# Altium PCB Inverter_AXIOMA_ REVERS.PcbDoc (part 1 of 3)
Units mm, origin at the board's own origin, x right, y up, seen from the top; angles counter-clockwise.
Board outline 420 x 300 mm, 2 copper layers (Top Layer, Bottom Layer), stack 2.071 mm thick; 422 components, 183 nets, 1036 pads, 944 vias.
Unrouted connection lines stored in the file: 20.
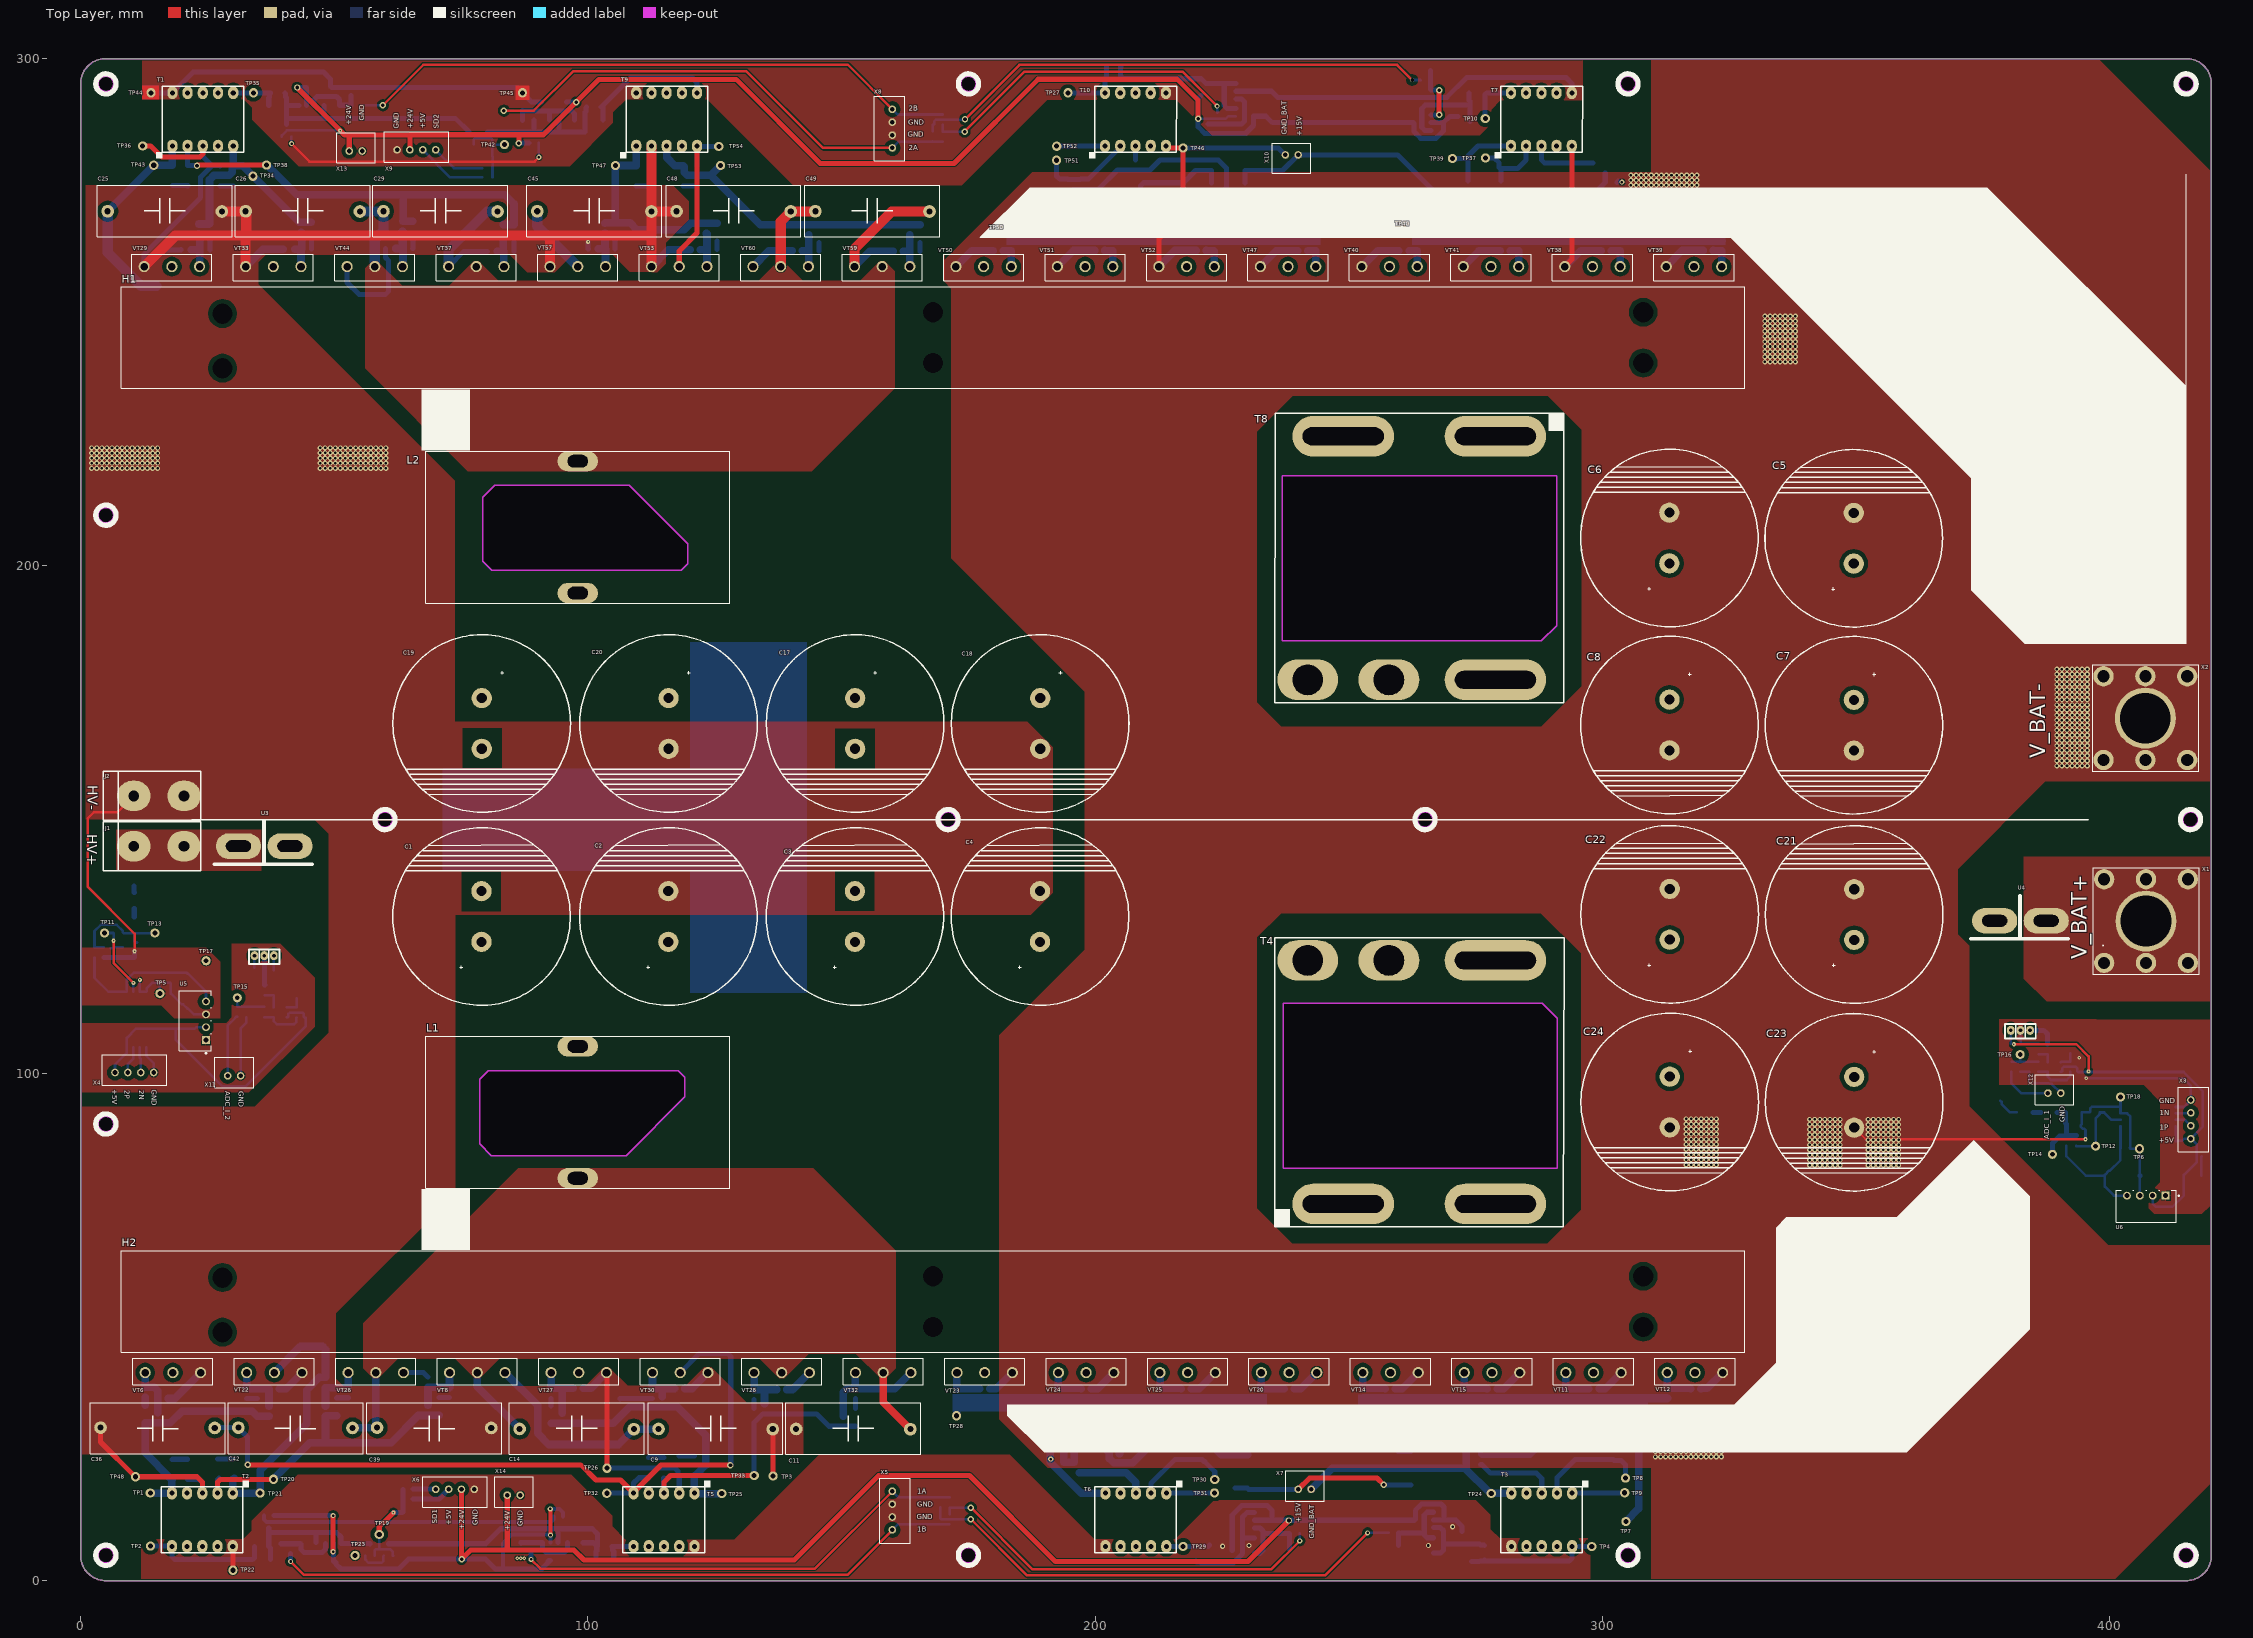
[diagram p0: Top Layer view]
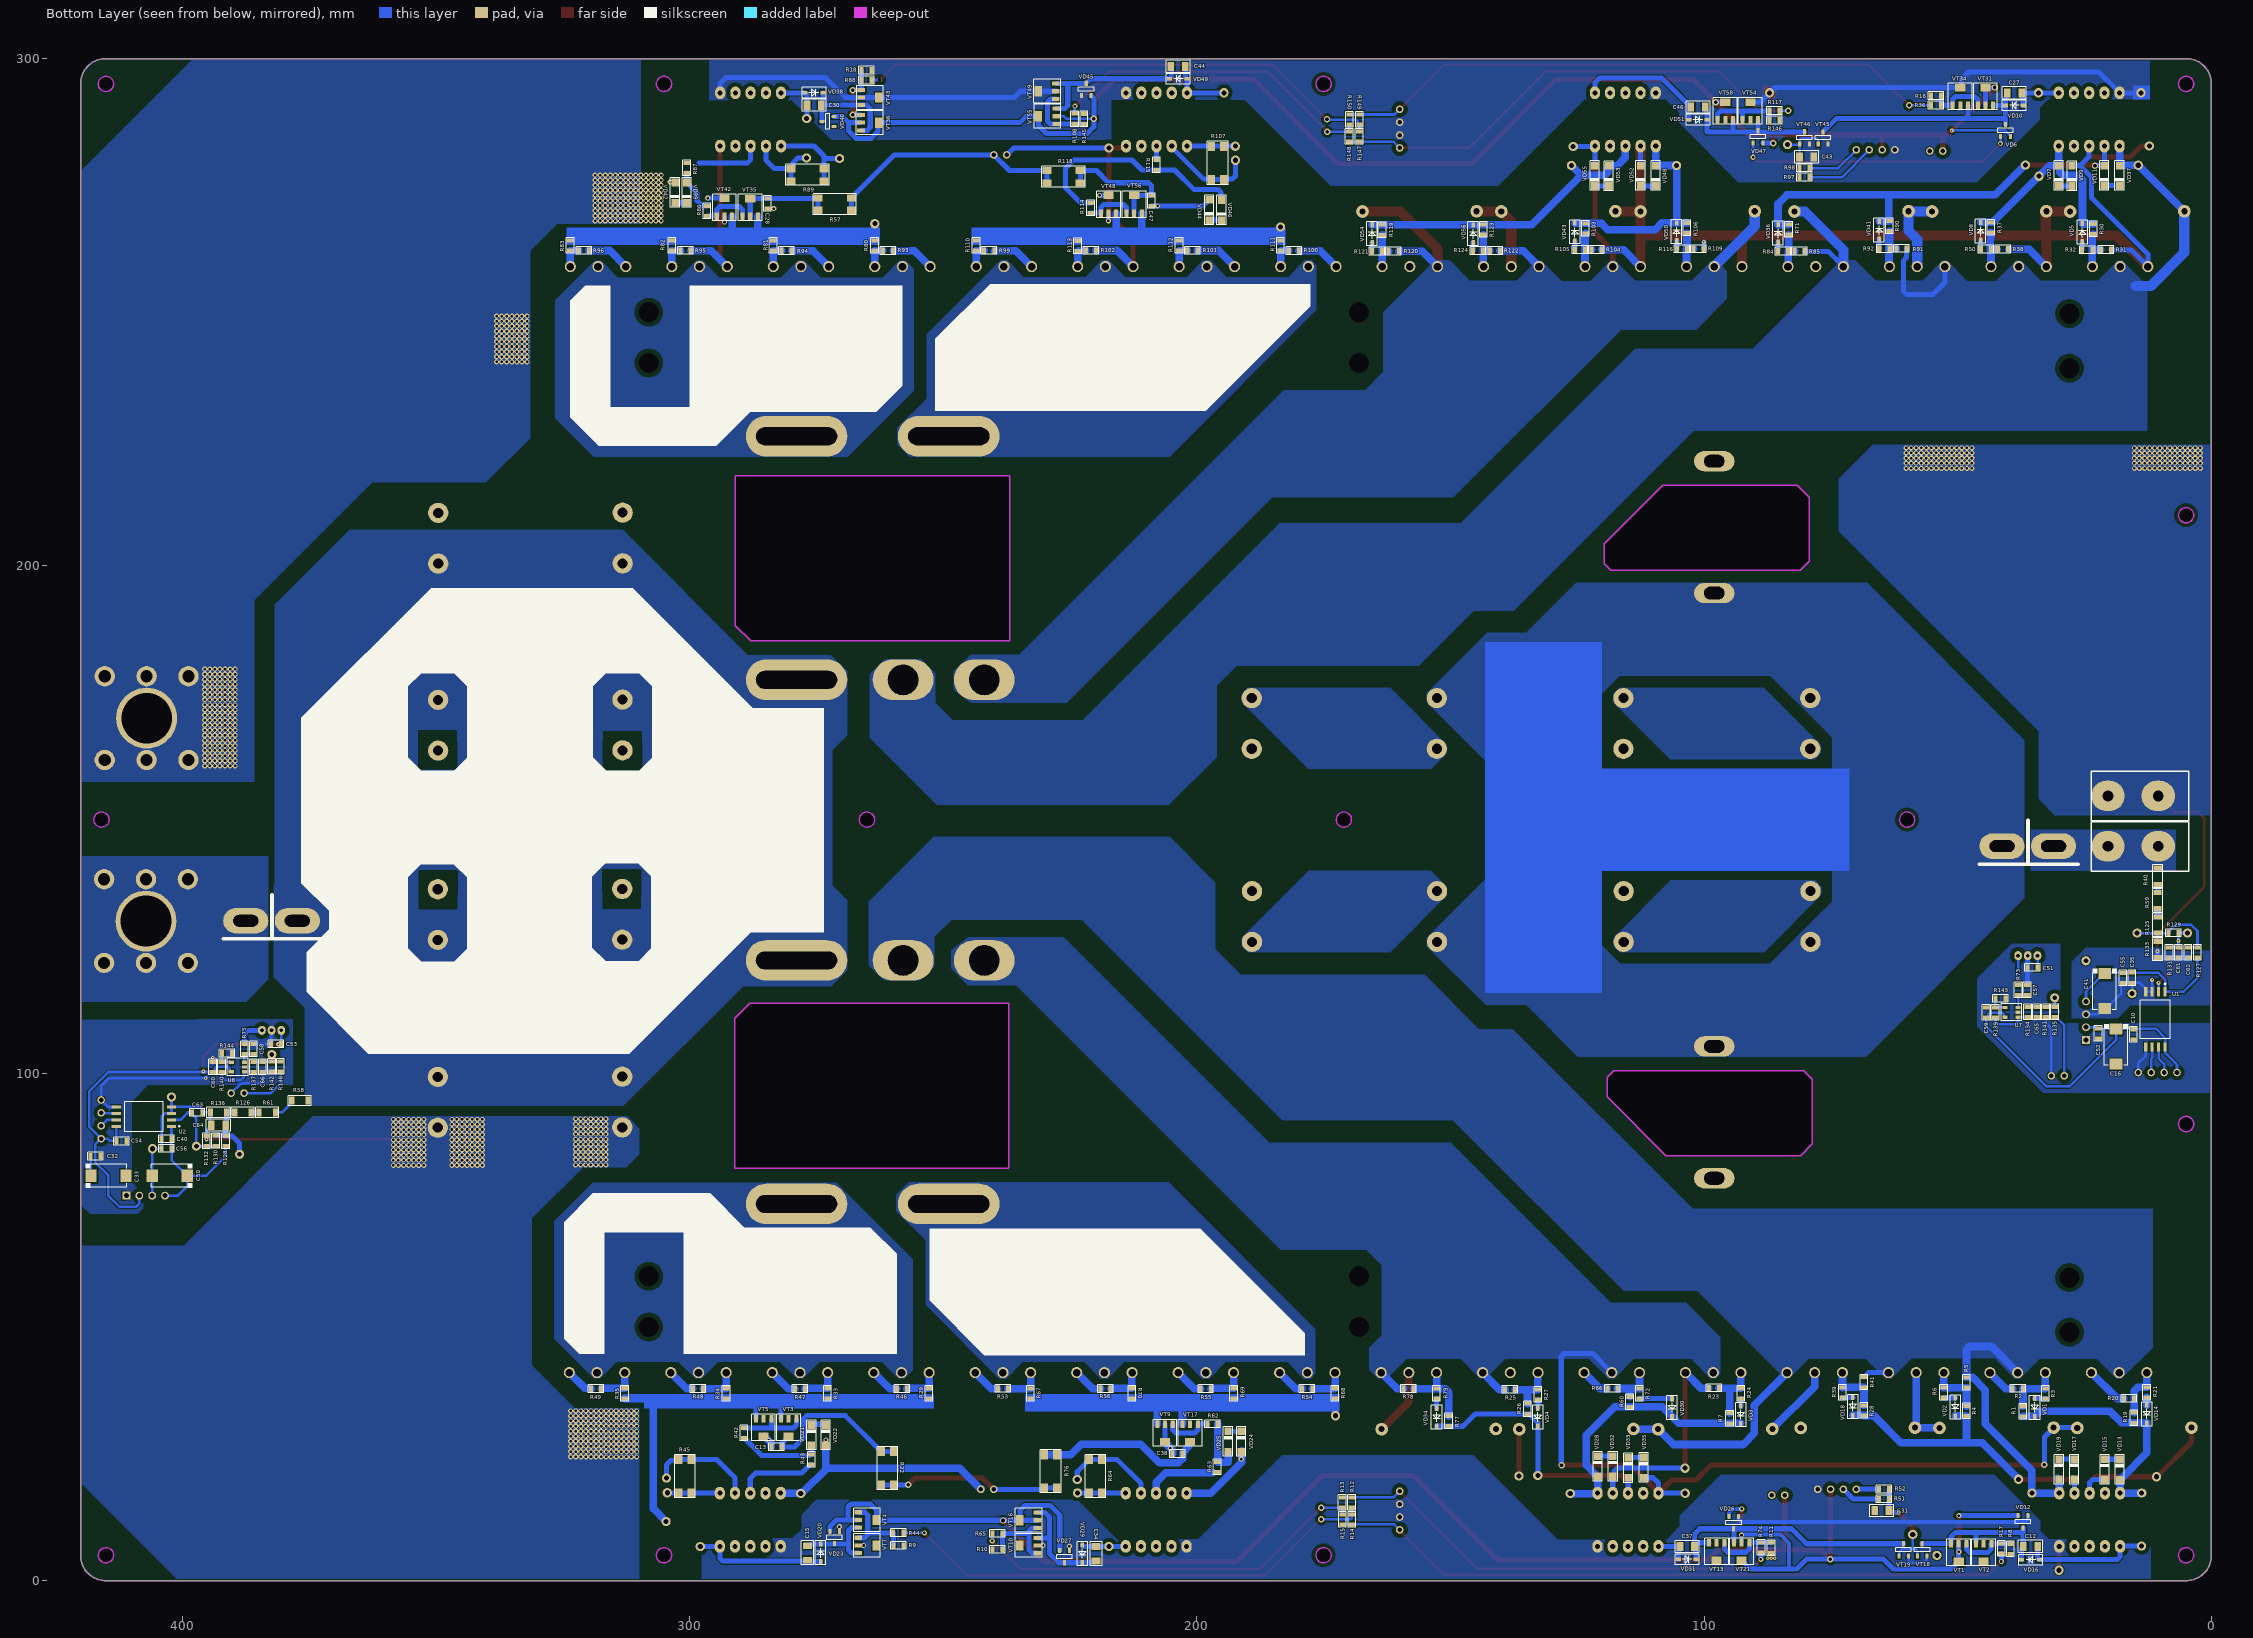
[diagram p1: Bottom Layer view, seen from below]
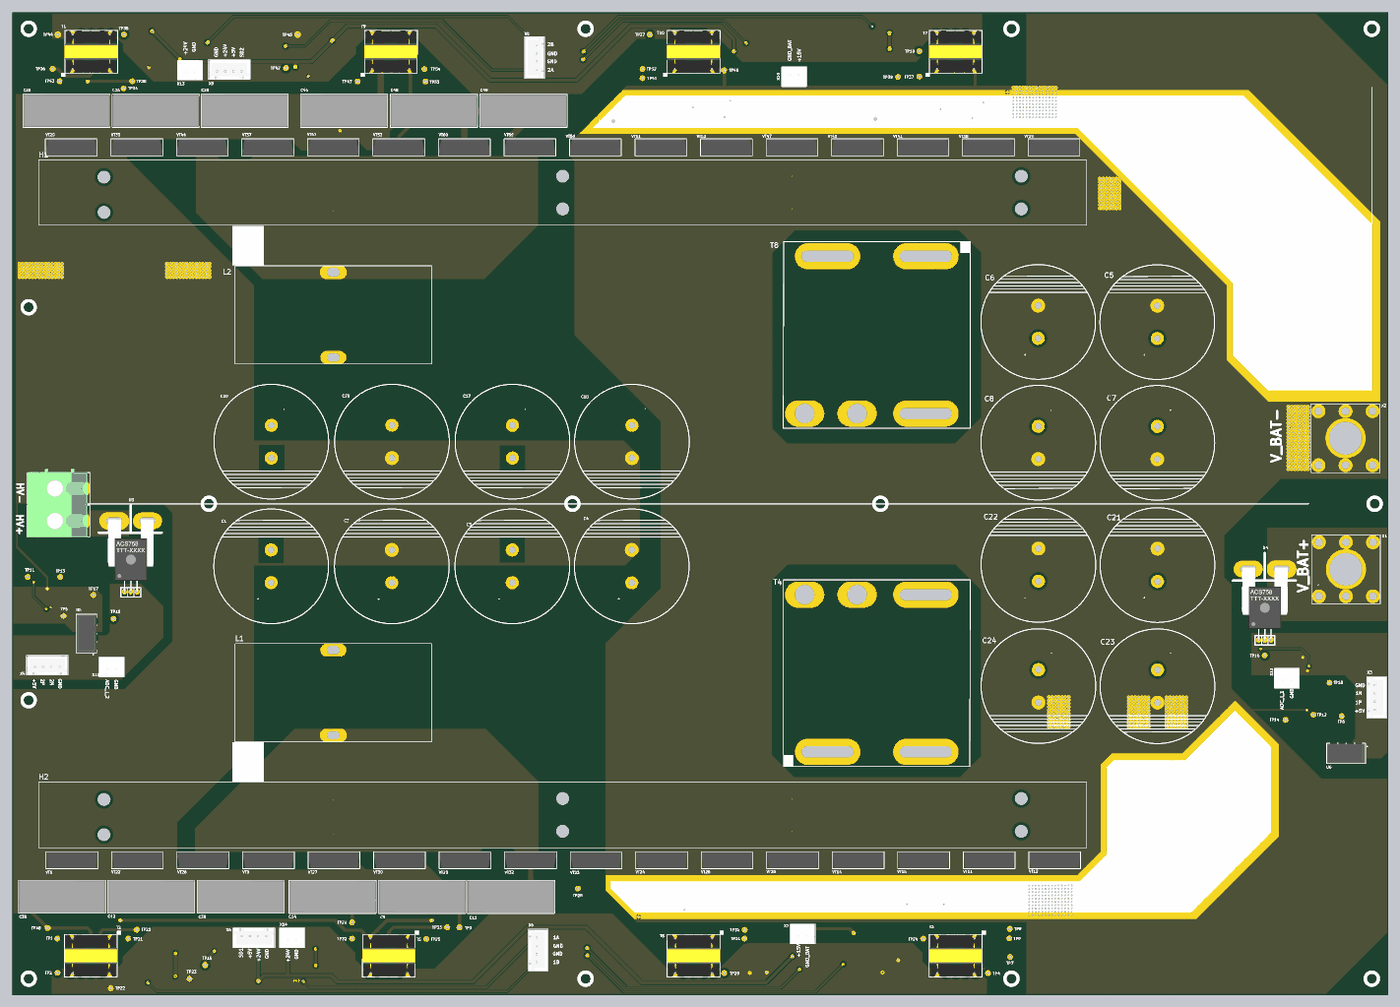
[diagram p4: 3D render of the assembled board from above, using the file's embedded part models]
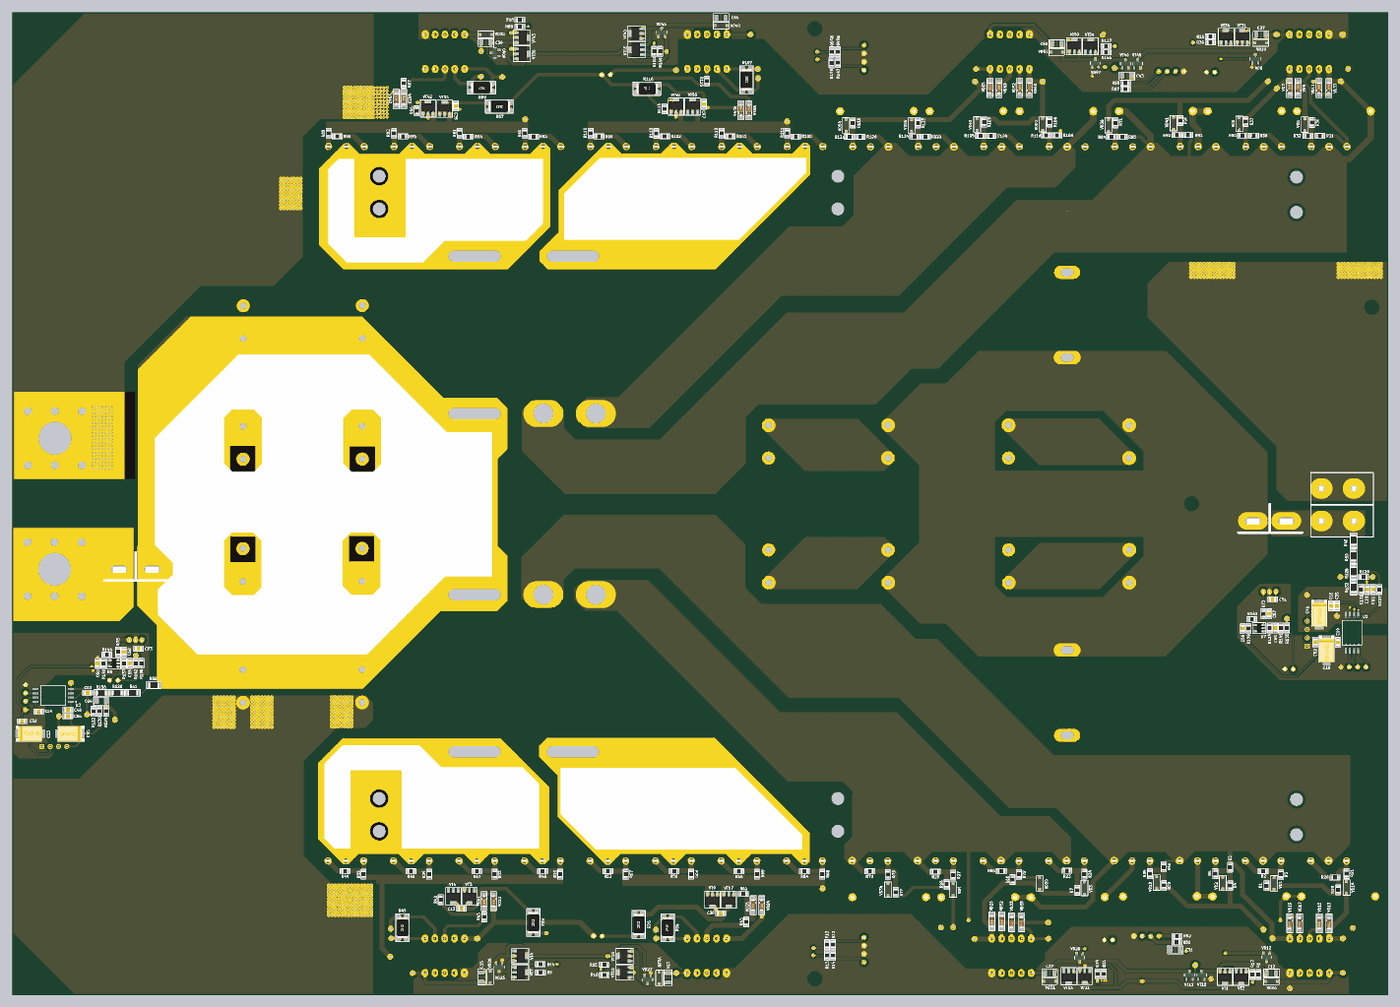
[diagram p5: 3D render of the assembled board from below, using the file's embedded part models]

## Layer stack, top to bottom
Top Solder: solder mask 0.0102, Solder Resist, Dk 3.5
Top Layer: signal copper 0.0356
Dielectric 1: dielectric 2, FR-4, Dk 4.8
Bottom Layer: signal copper 0.0356
Bottom Solder: solder mask 0.0102, Solder Resist, Dk 3.5

## Board outline
5,0 cw(c5,5) 0,5 0,295 cw(c5,295) 5,300 5.077,300 415,300.003 415,300 cw(c415,295) 420,295 420,5 cw(c415,5) 415,0
cut-out: 303.5,5 ccw(c305,5) 305,3.5 ccw(c305,5) 306.5,5 ccw(c305,5) 305,6.5 ccw(c305,5)
cut-out: 173.5,5 ccw(c175,5) 175,3.5 ccw(c175,5) 176.5,5 ccw(c175,5) 175,6.5 ccw(c175,5)
cut-out: 5,3.5 cw(c5,5) 3.5,5 cw(c5,5) 5,6.5 cw(c5,5) 6.5,5 cw(c5,5)
cut-out: 5,88.5 cw(c5,90) 3.5,90 cw(c5,90) 5,91.5 cw(c5,90) 6.5,90 cw(c5,90)
cut-out: 60,148.5 cw(c60,150) 58.5,150 cw(c60,150) 60,151.5 cw(c60,150) 61.5,150 cw(c60,150)
cut-out: 5,208.5 cw(c5,210) 3.5,210 cw(c5,210) 5,211.5 cw(c5,210) 6.5,210 cw(c5,210)
cut-out: 5,293.5 cw(c5,295) 3.5,295 cw(c5,295) 5,296.5 cw(c5,295) 6.5,295 cw(c5,295)
cut-out: 175,293.5 cw(c175,295) 173.5,295 cw(c175,295) 175,296.5 cw(c175,295) 176.5,295 cw(c175,295)
cut-out: 305,293.5 cw(c305,295) 303.5,295 cw(c305,295) 305,296.5 cw(c305,295) 306.5,295 cw(c305,295)
cut-out: 171,148.5 cw(c171,150) 169.5,150 cw(c171,150) 171,151.5 cw(c171,150) 172.5,150 cw(c171,150)
cut-out: 263.5,150 ccw(c265,150) 265,148.5 ccw(c265,150) 266.5,150 ccw(c265,150) 265,151.5 ccw(c265,150)
cut-out: 413.5,5 ccw(c415,5) 415,3.5 ccw(c415,5) 416.5,5 ccw(c415,5) 415,6.5 ccw(c415,5)
cut-out: 413.5,295 ccw(c415,295) 415,293.5 ccw(c415,295) 416.5,295 ccw(c415,295) 415,296.5 ccw(c415,295)
cut-out: 414.37,150 ccw(c415.87,150) 415.87,148.5 ccw(c415.87,150) 417.37,150 ccw(c415.87,150) 415.87,151.5 ccw(c415.87,150)
cut-out: 78.636,86.138 78.636,98.788 80.386,100.538 117.786,100.538 119.111,99.213 119.111,95.338 107.561,83.788 80.986,83.788
cut-out: 81,199.125 79.25,200.875 79.25,213.525 81.6,215.875 108.175,215.875 119.725,204.325 119.725,200.45 118.4,199.125
cut-out: 237.025,81.297 237.025,113.797 288.1,113.797 291.075,110.822 291.075,81.297
cut-out: 236.875,185.275 287.95,185.275 290.925,188.25 290.925,217.775 236.875,217.775

## Design rules (kind name [scope] priority, off if disabled: settings)
Clearance [All] p1: gap=0.8 ignorepadtopadclearanceinfootprint=TRUE except(0: Via-Hole Fill-Hole Text-Hole; 0.2: Arc-Track Arc-SMDPad Arc-THPad Arc-Via Arc-Fill Arc-Poly Arc-Region Arc-Text Arc-Hole; 0.25: Track-Track Track-SMDPad Track-THPad Track-Via Track-Fill Track-Poly Track-Region Track-Text Track-Hole; 0.254: Via-Via Via-Fill Via-Poly Via-Region Via-Text Fill-Fill Fill-Poly Fill-Region Fill-Text Text-Text; 0.4: Arc-Arc SMDPad-SMDPad SMDPad-THPad SMDPad-Via SMDPad-Fill SMDPad-Poly SMDPad-Region SMDPad-Text SMDPad-Hole)
ComponentClearance [All] p1: gap=-5 collisioncheckmode=3 verticalgap=0.254 showdistances=FALSE
DiffPairsRouting [All] p1: maxlimit=5 minlimit=0.254 mostfreqgap=0.254 toplayer_minwidth=0.381 toplayer_maxwidth=0.381 toplayer_prefwidth=0.381 bottomlayer_minwidth=0.381 bottomlayer_maxwidth=0.381 bottomlayer_prefwidth=0.381 maxuncoupledlength=12.7
Height [All] p1: minheight=0 maxheight=150 prefheight=50
MinimumSolderMaskSliver [All] p1: minsoldermaskwidth=0.15
PlaneClearance [All] p1: clearance=0.7
PlaneConnect [All] p1: planeconnectstyle=Direct reliefexpansion=0.508 reliefentries=4 reliefconductorwidth=0.254 reliefairgap=0.5
PolygonConnect [All] p1: connectstyle=Relief reliefconductorwidth=0.2 reliefentries=4 polygonreliefangle="90 Angle" airgapwidth=0.2
RoutingVias [All] p1: holewidth=0.711 width=1.27 viastyle="Through Hole" minholewidth=0.711 minwidth=1.27 maxholewidth=0.711 maxwidth=1.27
SilkToSilkClearance [All] p1: silktosilkclearance=0.15
SilkToSolderMaskClearance [IsPad] p1: minsilkscreentomaskgap=0.15 clearancetoexposedcopper=TRUE
SolderMaskExpansion [All] p1: expansion=0.102 istentingtop=FALSE
Width [All] p1: maxlimit=7 minlimit=0.254 preferedwidth=2 minimp=50.000000 maximp=50.000000 favimp=50.000000
22 further rules are at their usual default settings.

## Components (designator, comment, footprint, x,y, rotation, side; value= is the part's Value field where it differs from the comment)
C1 "CAP-POLAR" CAPPOL-65x35 79.025,130.9 r90 top locked
C2 "CAP-POLAR" CAPPOL-65x35 115.85,130.9 r90 top locked
C3 "CAP-POLAR" CAPPOL-65x35 152.625,130.9 r90 top locked
C4 "CAP-POLAR" CAPPOL-65x35 189.1,130.9 r90 top locked
C5 "CAP-POLAR" CAPPOL-100x35 349.5,205.45 r90 top locked
C6 "CAP-POLAR" CAPPOL-100x35 313.15,205.5 r90 top locked
C7 "CAP-POLAR" CAPPOL-100x35 349.525,168.6 r270 top locked
C8 "CAP-POLAR" CAPPOL-100x35 313.175,168.65 r270 top locked
C9 "CAP-NON-POLAR" CAP-FILM-22.5X26.5X10 125.175,30 r180 top
C10 "0.1uF" CAP-0805 15.375,107.675 r270 bottom
C11 "CAP-NON-POLAR" CAP-FILM-22.5X26.5X10 152.3,30 r180 top locked
C12 "100nF" CAP-1206 35.675,6.725 r180 bottom
C13 "100nF" CAP-0805 282.853,26.325 r180 bottom
C14 "CAP-NON-POLAR" CAP-FILM-22.5X26.5X10 97.8,30 r180 top locked
C15 "100nF" CAP-1206 276.725,5.475 r90 bottom
C16 "47uF_16V" CAP-TAN-D 18.8,105.25 r270 bottom
C17 "CAP-POLAR" CAPPOL-65x35 152.675,168.95 r270 top locked
C18 "CAP-POLAR" CAPPOL-65x35 189.15,168.95 r270 top locked
C19 "CAP-POLAR" CAPPOL-65x35 79.075,168.95 r270 top locked
C20 "CAP-POLAR" CAPPOL-65x35 115.9,168.95 r270 top locked
C21 "CAP-POLAR" CAPPOL-100x35 349.581,131.284 r90 top locked
C22 "CAP-POLAR" CAPPOL-100x35 313.231,131.334 r90 top locked
C23 "CAP-POLAR" CAPPOL-100x35 349.581,94.284 r270 top locked
C24 "CAP-POLAR" CAPPOL-100x35 313.231,94.334 r270 top locked
C25 "CAP-NON-POLAR" CAP-FILM-22.5X26.5X10 16.6,270 r180 top locked
C26 "CAP-NON-POLAR" CAP-FILM-22.5X26.5X10 43.8,270 r180 top locked
C27 "100nF" CAP-1206 38.85,293.225 r180 bottom
C28 "100nF" CAP-0805 284.6,271.425 r90 bottom
C29 "CAP-NON-POLAR" CAP-FILM-22.5X26.5X10 70.95,270 r180 top locked
C30 "100nF" CAP-1206 275.4,290.8 r180 bottom
C31 "100nF" CAP-1206 64.975,13.8 r180 bottom
C32 "0.1uF" CAP-0805 417.05,83.625 r180 bottom
C33 "47uF_16V" CAP-TAN-D 414.5,79.8 r180 bottom
C34 "100nF" CAP-1206 219.825,5.3 r90 bottom
C35 "0.1uF" CAP-0805 15.65,118.825 r90 bottom
C36 "CAP-NON-POLAR" CAP-FILM-22.5X26.5X10 15.2,30 r0 top locked
C37 "100nF" CAP-1206 103.325,6.7 r180 bottom
C38 "100nF" CAP-0805 203.775,25 r180 bottom
C39 "CAP-NON-POLAR" CAP-FILM-22.5X26.5X10 69.7,30 r0 top locked
C40 "0.1uF" CAP-0805 403.025,87.025 r180 bottom
C41 "100uF_16V" CAP-TAN-D 21.05,116.2 r270 bottom
C42 "CAP-NON-POLAR" CAP-FILM-22.5X26.5X10 42.35,30 r0 top locked
C43 "100nF" CAP-1206 79.775,280.6 r0 bottom
C44 "100nF" CAP-1206 203.675,298.425 r180 bottom
C45 "CAP-NON-POLAR" CAP-FILM-22.5X26.5X10 101.275,270 r180 top locked
C46 "100nF" CAP-1206 101.175,290.425 r180 bottom
C47 "100nF" CAP-0805 208.9,271.975 r90 bottom
C48 "CAP-NON-POLAR" CAP-FILM-22.5X26.5X10 128.725,270 r180 top locked
C49 "CAP-NON-POLAR" CAP-FILM-22.5X26.5X10 156.075,270 r180 top locked
C50 "100uF_16V" CAP-TAN-D 402.425,79.8 r0 bottom
C51 "0.1uF" CAP-0805 35.275,120.85 r180 bottom
C52 "0.1uF" CAP-0805 22.325,107.8 r270 bottom
C53 "0.1uF" CAP-0805 381.45,105.775 r180 bottom
C54 "0.1uF" CAP-0805 411.95,86.6 r180 bottom
C55 "0.1uF" CAP-0805 17.45,118.8 r270 bottom
C56 "0.1uF" CAP-0805 403.025,85.175 r0 bottom
C57 "270pF" CAP-0805 36.325,116.4 r270 bottom
C58 "270pF" CAP-0805 385.925,104.775 r270 bottom
C59 "0.1uF" CAP-0805 44.394,111.975 r270 bottom
C60 "0.1uF" CAP-0805 393.95,101.25 r270 bottom
C61 "0.33uF" CAP-0805 6.5,123.825 r90 bottom
C62 "0.1uF" CAP-0805 4.6,123.825 r90 bottom
C63 "0.33uF" CAP-0805 397,92.275 r0 bottom
C64 "0.1uF" CAP-1206 392.8,89.75 r180 bottom
C65 "220pF" CAP-0805 34.444,112.05 r90 bottom
C66 "220pF" CAP-0805 384.125,101.275 r90 bottom
H1 "HEAT SINK" "HEAT SINK" 168,245 r180 top
H2 "HEAT SINK" "HEAT SINK" 168,55 r180 top locked
J1 "MG_136_HT" Conn_MEIGAN_MG136HT 13.024,144.749 r270 top locked
J2 "MG_136_HT" Conn_MEIGAN_MG136HT 13.028,154.668 r270 top locked
L1 "IND-CONST" DROSSEL_TOR_50X30X20 98,92.3 r180 top locked
L2 "IND-CONST" DROSSEL_TOR_50X30X20 98,207.65 r0 top locked
R1 "RES-CONST" RES-0805 37.15,33.375 r90 bottom
R2 "RES-CONST" RES-0805 38.175,37.85 r0 bottom
R3 "RES-CONST" RES-0805 32.725,36.875 r90 bottom
R4 "RES-CONST" RES-0805 48.275,33.425 r90 bottom
R5 "RES-CONST" RES-0805 48.275,39.05 r90 bottom
R6 "RES-CONST" RES-0805 52.775,37.05 r90 bottom
R7 "RES-CONST" RES-0805 94.925,32 r90 bottom
R8 "10K" RES-0805 39.6,6.275 r90 bottom
R9 "10K" RES-0805 258.8,6.9 r0 bottom
R10 "10K" RES-0805 239.275,6.125 r180 bottom
R11 "10K" RES-0805 86.775,6.475 r90 bottom
R12 "100" RES-0805 169.425,15.425 r90 bottom